# Allegro board pc065a_toplevel_45_8layers.brd (continued)
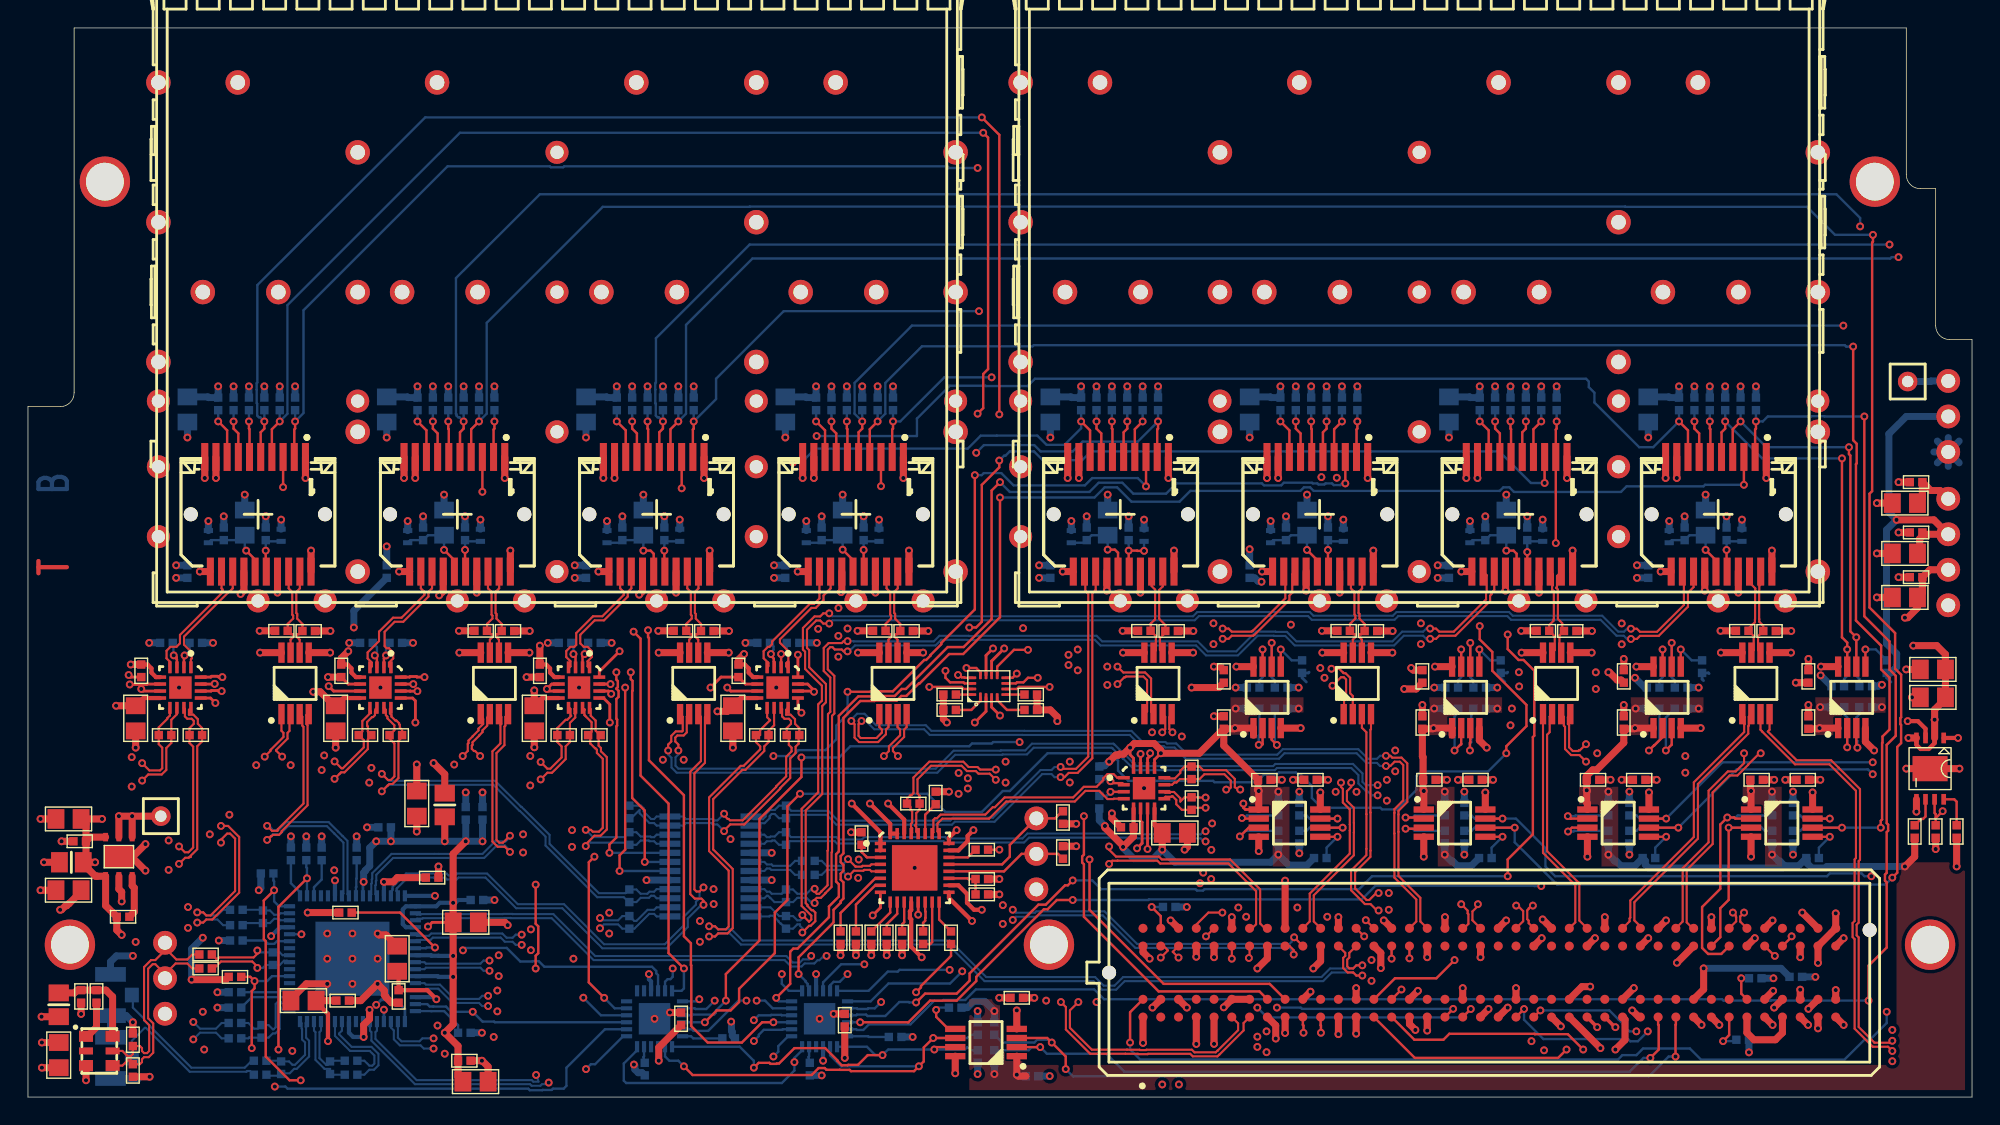
[diagram p0: board, top side]
## Routing (per net, layer and track width the routed paths; a pad name or vN(x,y) marks a point on that pad's centre or on a via; arc(x,y) is an arc through that point) (continued)
FMC_LA_P<31>: length 13.8
  TOP w0.17: J10.G33 121,11.44 121,13.51 121.6,14.11 v1(121.6,19.27) IC16.3
  BOTTOM w0.17: R151.1 124.19,19.05 123.96,19.27 v1(121.6,19.27)
FMC_LA_P<33>: length 23.1
  TOP w0.17: J10.G36 124.88,10.1 v1(124.9,10.1) ; 130.72,26.4 130.72,25.08 v1(130.8,25)
  L6_SIG w0.17: v1(130.8,25) 130.8,15.46 125.44,10.1 v1(124.9,10.1)
  BOTTOM w0.17: v1(130.8,25) 130.8,25.49 130.72,25.57 130.72,27.16 130.95,27.39 R171.1
I2C_SCL: length 110.1
  TOP w0.17: v1(61.1,3) 60.04,3 59.35,2.3 58.65,2.3 58.62,2.28 58.18,2.28 57.88,2.58 57.88,2.62 57,3.5 54.8,3.5 53.7,2.4 53.54,2.4 53.52,2.38 53.08,2.38 53.01,2.45 52.25,2.45 v1(51.9,2.1) ; v1(19.5,1.2) 18.7,1.2 17,2.9 17,11.16 16.86,11.3 16.86,14.06 v1(17.6,14.8) ; R94.1 73.65,17.4 J1.2 71.04,17.4 69.79,16.15 IC9.20 ; IC11.7 64.97,3.58 v1(64.8,3.4)
  L3_SIG w0.17: v1(19.5,1.2) 19.9,0.8 34.4,0.8 35.6,2 36.01,2 36.11,2.11 36.55,2.11 36.61,2.05 36.63,2.05 36.68,2 38.2,2 38.73,1.47 50.78,1.47 51.41,2.1 v1(51.9,2.1)
  L6_SIG w0.17: J1.2 73.19,16.3 73.19,13.99 70.95,11.75 70.95,7.27 67.09,3.4 v1(64.8,3.4)
  BOTTOM w0.17: IC3.16 17.95,13.65 17.6,14 v1(17.6,14.8) 17.6,15.44 17.55,15.49 R7.2 ; v1(51.9,2.1) 51.9,2.59 50.89,3.6 IC23.19 ; R135.1 67.39,3.35 67.16,3.58 66.99,3.4 v1(64.8,3.4) 61.5,3.4 v1(61.1,3) 60.58,3 59.98,3.6 IC10.19
I2C_SCL_CVCC: length 53
  TOP w0.17: 116.56,5.73 116.56,5.19 116.6,5.15 116.6,3.4 v1(116,2.8) ; IC11.2 v1(72.38,3.58)
  BOTTOM w0.17: R132.1 71.55,3.35 71.77,3.57 72.37,3.57 v1(72.38,3.58) 72.85,3.1 77.1,3.1 78.39,1.81 114.51,1.81 115.51,2.8 v1(116,2.8)
I2C_SDA: length 110.7
  TOP w0.17: v1(19.95,15.65) 17.91,13.61 v1(17.91,3.4) ; IC11.6 v1(64.72,4.23) 64.05,3.55 64.05,2.55 v1(63.7,2.2) 63.35,1.85 58.85,1.85 58.75,1.95 58.05,1.95 58.04,1.95 57.09,1.95 56.97,2.08 56.53,2.08 56.03,1.58 47.52,1.58 v1(46.9,2.2) ; IC9.21 69.65,16.65 70.2,17.2 70.2,18.04 J1.3 73.44,19.94 73.95,20.45 R93.1
  L3_SIG w0.17: v1(17.91,3.4) 19.26,2.05 19.85,2.05 19.92,1.99 33.78,1.99 34.59,2.79 41.21,2.79 42.2,1.8 44.15,1.8 44.42,2.08 46.28,2.08 46.41,2.2 v1(46.9,2.2)
  L6_SIG w0.17: v1(64.72,4.23) 66.71,4.23 68.42,5.94 68.42,9.68 71,12.26 71,18.84 J1.3
  BOTTOM w0.17: v1(63.7,2.2) 58.14,2.2 57.35,2.99 IC10.20 ; v1(64.72,4.23) 67.16,4.23 67.39,4.45 R134.1 ; v1(46.9,2.2) 46.5,2.6 45.86,2.6 45.55,2.91 IC23.20 ; R8.2 19.9,16.44 19.95,16.39 v1(19.95,15.65) IC3.18
I2C_SDA_CVCC: length 56.7
  TOP w0.17: v1(117.8,2.9) 117.8,5.17 117.83,5.19 J10.C31 ; IC11.3 72.88,4.23 v1(73.2,3.9) 74.2,2.9 v1(74.2,2)
  BOTTOM w0.17: v1(73.2,3.9) 73,4.1 72.16,4.1 71.96,3.9 69.65,3.9 R131.1 ; v1(74.2,2) 74.72,1.48 115.88,1.48 117.31,2.9 v1(117.8,2.9)
MOD_ABS: length 3.4
  TOP w0.17: J7.6 15.84,47.79 15.8,47.83 v1(15.8,48.35)
  BOTTOM w0.17: R26.1 v1(15.8,48.35)
MOD_ABS_1: length 3.4
  TOP w0.17: v1(30.05,48.35) 30.05,47.83 30.09,47.79 J12.6
  BOTTOM w0.17: R38.1 v1(30.05,48.35)
MOD_ABS_2: length 3.4
  TOP w0.17: v1(44.3,48.35) 44.3,47.83 44.34,47.79 J16.6
  BOTTOM w0.17: R46.1 v1(44.3,48.35)
MOD_ABS_3: length 3.4
  TOP w0.17: J20.6 58.59,47.79 58.55,47.83 v1(58.55,48.35)
  BOTTOM w0.17: R54.1 v1(58.55,48.35)
MOD_ABS_4: length 3.4
  TOP w0.17: v1(120.25,48.35) 120.25,47.83 120.29,47.79 J24.6
  BOTTOM w0.17: R103.1 v1(120.25,48.35)
MOD_ABS_5: length 3.4
  TOP w0.17: J28.6 106.04,47.79 106,47.83 v1(106,48.35)
  BOTTOM w0.17: R111.1 v1(106,48.35)
MOD_ABS_6: length 3.4
  TOP w0.17: v1(91.75,48.35) 91.75,47.83 91.79,47.79 J32.6
  BOTTOM w0.17: R119.1 v1(91.75,48.35)
MOD_ABS_7: length 3.4
  TOP w0.17: v1(77.5,48.35) 77.5,47.83 77.54,47.79 J36.6
  BOTTOM w0.17: R127.1 v1(77.5,48.35)
MUX_OUT_N: length 3.9
  BOTTOM w0.15: C55.1 54.85,15.9 54.49,16.26 53.14,16.26 53.04,16.36 52.83,16.36 52.65,16.18 51.7,16.18
MUX_OUT_P: length 3.9
  BOTTOM w0.15: IC8.18 52.65,16.82 52.83,16.64 53.16,16.64 53.26,16.55 54.49,16.55 54.85,16.9 C56.1
MUX_SEL<0>: length 42.5
  TOP w0.17: v1(64.44,29.34) 66.75,29.34 66.9,29.2 IC21.15 ; v1(42.7,29.3) 42.7,17.7 42.3,17.3 v1(42.3,16.18)
  L3_SIG w0.17: v1(42.7,29.3) 43.23,28.77 54.77,28.77 55.34,29.34 55.8,29.34 56.03,29.58 56.47,29.58 56.7,29.34 58.2,29.34 58.38,29.52 58.82,29.52 59,29.34 v1(64.44,29.34)
  BOTTOM w0.17: 45.9,16.18 v1(42.3,16.18)
MUX_SEL<1>: length 41
  TOP w0.17: v1(44.1,16.82) 44.1,20.5 43.2,21.4 43.2,29.06 43.23,29.08 43.23,29.78 43.1,29.91 v1(43.1,30.4) ; IC21.14 66.96,29.6 66.89,29.67 65.93,29.67 65.6,30.01 v1(65.6,30.5)
  L3_SIG w0.17: v1(65.6,30.5) 65.11,30.5 65.01,30.4 59.22,30.4 59.07,30.26 43.24,30.26 v1(43.1,30.4)
  BOTTOM w0.17: IC8.7 v1(44.1,16.82)
MUX_SEL<2>: length 43.7
  TOP w0.17: v1(66.5,30.2) 66.6,30.2 66.77,30.03 66.94,30.03 66.98,30 IC21.13 ; v1(42.07,30.4) 42.07,29.87 42.17,29.77 42.17,29.33 42.07,29.23 42.07,29.22 42.23,29.07 42.23,28.63 42.07,28.48 42.07,27.07 42.12,27.02 42.12,26.58 42.07,26.53 42.07,18.57 41.58,18.07 v1(41.58,17.48)
  L3_SIG w0.17: v1(42.07,30.4) 42.59,29.88 55.87,29.88 55.9,29.91 65.71,29.91 65.78,29.98 65.82,29.98 65.94,29.85 66.15,29.85 v1(66.5,30.2)
  BOTTOM w0.17: 45.9,17.48 v1(41.58,17.48)
OSC_N: length 15.4
  TOP w0.15: C30.2 11.75,10.2 11.39,9.85 10.61,9.85 9.8,10.66 ; QZ1.5 6.75,3.3 7.13,2.92 7.34,2.92 7.5,3.08 R4.2 8,3.65 8.15,3.5 8.15,3.29 8.3,3.15 8.51,3.15 8.66,3.29 8.66,5.15 8.3,5.52 8.3,9.3 8.8,9.8 9.1,9.8 9.8,10.5 9.8,10.66 ; J5.3 9.8,10.66
OSC_P: length 14.7
  TOP w0.15: C29.2 11.75,9.2 11.39,9.55 10.55,9.55 9.8,8.8 ; 9.8,8.8 9.8,8.81 9.1,9.51 8.92,9.51 8.59,9.18 8.59,5.64 8.95,5.27 8.95,3.17 8.63,2.86 8.3,2.86 8.15,2.71 8.15,2.5 8,2.35 R5.2 7.34,2.51 7.34,2.63 7.13,2.63 6.75,2.25 QZ1.4 ; 9.8,8.8 J5.2
POWER_GOOD: length 79.8
  TOP w0.17: U11.7 136.32,20.33 136.4,20.25 136.4,19.96 ; 136.4,19.96 v1(136.9,20.46) ; 136.4,19.96 R182.2 ; J10.D1 78.8,6.07 v1(78.8,3.9)
  L6_SIG w0.17: v1(136.9,20.46) 137.25,20.11 137.25,17.65 132.9,13.3 132.9,7.94 132.88,7.92 132.88,7.48 132.9,7.46 v1(132.9,6.1)
  BOTTOM w0.17: v1(78.8,3.9) 78.8,3.4 79.52,2.69 113.69,2.69 114,3 115,3 115.47,3.48 118.82,3.48 119.62,2.68 129.88,2.68 131.3,4.1 131.7,4.1 132.9,5.3 v1(132.9,6.1)
PRSNT_L: length 2.6
  TOP w0.17: 81,12.08 81,12.95 v1(80.35,13.6)
  BOTTOM w0.17: R30.2 v1(80.35,13.6)
RD_BUF_N<0>: length 8.9
  TOP w0.15: J7.12 13.84,36.4 13.91,36.33 13.91,36.11 10.87,33.07 10.87,32.47 10.62,32.22 10.19,32.22 9.91,31.94 9.91,31.39 10.15,31.15 IC4.4
RD_BUF_N<1>: length 9.2
  TOP w0.15: J12.12 28.09,36.4 28.34,36.14 28.34,35.93 26.71,34.3 26.1,34.3 25.1,33.3 25.1,32.63 24.29,31.81 24.29,31.39 24.59,31.08 24.59,30.82 24.52,30.75 IC5.4
RD_BUF_N<2>: length 9.4
  TOP w0.15: IC6.4 38.72,30.75 38.79,30.82 38.79,31.18 38.48,31.49 38.48,31.91 38.79,32.22 39.06,32.22 39.2,32.35 39.2,33.2 40.4,34.4 41.06,34.4 42.59,35.93 42.59,36.14 42.34,36.4 J16.12
RD_BUF_N<3>: length 8.9
  TOP w0.15: IC7.4 52.94,30.84 52.94,31.06 52.6,31.4 52.6,31.91 52.91,32.22 53.02,32.22 53.2,32.4 53.2,32.59 55.9,35.29 56.2,35.29 56.59,35.68 J20.12
RD_BUF_P<0>: length 8.6
  TOP w0.15: IC4.1 11.65,31.32 11.71,31.39 11.71,31.81 11.16,32.37 11.16,32.95 14.35,36.14 14.38,36.14 14.64,36.4 J7.13
RD_BUF_P<1>: length 9.2
  TOP w0.15: J12.13 28.89,36.4 28.64,36.14 28.64,35.81 26.83,34.01 26.22,34.01 25.5,33.29 25.5,32.27 25.65,32.12 25.81,32.12 26.11,31.81 26.11,31.39 25.81,31.08 25.81,30.82 25.88,30.75 IC5.1
RD_BUF_P<2>: length 9.5
  TOP w0.15: J16.13 43.14,36.4 42.88,36.14 42.88,35.81 41.18,34.11 40.52,34.11 39.49,33.08 39.49,32.46 39.74,32.22 40.01,32.22 40.31,31.91 40.31,31.49 40.01,31.18 40.01,30.82 40.08,30.75 IC6.1
RD_BUF_P<3>: length 8.9
  TOP w0.15: J20.13 57.39,36.4 56.88,35.89 56.88,35.56 56.32,35 56.02,35 53.76,32.75 53.76,32.51 54.37,31.91 54.37,31.19 54.21,31.04 54.21,30.82 54.28,30.75 IC7.1
RD_MUX_N<0>: length 50.2
  TOP w0.15: v1(10.8,17.93) 11.22,17.52 11.47,17.52 11.81,17.85 11.81,25.08 11.55,25.34 R60.1 11.55,26.4 11.86,26.71 11.86,26.92 11.71,27.07 11.39,27.07 11.22,27.24 11.22,27.77 11.15,27.84 IC4.11
  L3_SIG w0.15: v1(40.9,12.81) 40.47,12.81 40.26,12.6 40.24,12.6 36.29,16.55 34.29,16.55 33.34,17.5 11.31,17.5 11.23,17.5 v1(10.8,17.93)
  BOTTOM w0.15: IC8.2 44.95,13.57 44.77,13.39 44.3,13.39 43.5,12.6 43.35,12.6 R74.2 42.5,12.95 42.19,12.64 41.06,12.64 v1(40.9,12.81)
RD_MUX_N<1>: length 31.6
  TOP w0.15: v1(25.3,23.12) 25.74,22.69 25.94,22.69 26.2,22.95 26.2,25.3 25.85,25.65 R64.1 26.2,26.25 26.2,26.6 25.7,27.1 25.7,27.22 25.59,27.33 25.59,27.71 IC5.11
  BOTTOM w0.15: 45.9,14.88 44.95,14.88 44.77,14.7 44.44,14.7 44.29,14.54 43.81,14.54 43.5,14.85 R75.2 42.76,14.61 42.74,14.61 42.72,14.59 40.82,14.59 37.3,18.11 37.3,18.76 35.29,20.77 35.26,20.77 33.4,22.63 25.79,22.63 v1(25.3,23.12)
RD_MUX_N<2>: length 17.6
  TOP w0.15: v1(39.88,19.12) 40.25,19.12 40.38,18.99 40.82,18.99 41.1,19.27 41.1,24.2 40.68,24.62 40.68,24.85 40.57,24.96 40.54,24.96 40.2,25.3 40.2,25.75 R68.1 40.3,26.15 40.3,26.82 39.79,27.33 ; 39.79,27.71 39.79,27.33 ; 39.79,27.71 39.76,27.74 ; 39.79,27.71 39.79,27.74 39.76,27.74 ; 39.79,27.33 39.88,27.24 ; 39.76,27.74 IC6.11
  BOTTOM w0.15: v1(39.88,19.12) 40.4,18.6 42.65,18.6 R76.2 43.5,18.95 43.81,18.64 44.51,18.64 44.56,18.59 44.77,18.59 44.95,18.77 IC8.10
RD_MUX_N<3>: length 19.5
  TOP w0.15: v1(49.77,20.27) 49.77,20.15 50.03,19.9 50.09,19.9 50.19,19.8 51.1,19.8 53.49,22.19 53.49,22.23 54.21,22.95 54.21,24.35 54.6,24.74 54.6,25 54.4,25.2 54.4,25.75 R72.1 54.25,26.4 54.55,26.71 54.55,26.92 54.41,27.07 54.09,27.07 53.92,27.24 53.92,27.77 53.85,27.84 IC7.11
  BOTTOM w0.15: R77.2 43.83,20.85 44.02,20.67 44.02,20.43 44.56,19.89 44.77,19.89 44.95,20.08 IC8.12 46.85,20.08 47.03,19.89 48.98,19.89 49.08,19.8 49.3,19.8 v1(49.77,20.27)
RD_MUX_N<4>: length 40.5
  TOP w0.15: v1(73.83,23.62) 73.97,23.48 74.93,23.48 75.81,24.36 75.81,36.02 75.6,36.23 75.6,37.54 J36.12
  BOTTOM w0.15: v1(73.83,23.62) 73.4,23.62 73.18,23.4 72.4,23.4 68.99,19.99 66.15,19.99 65.94,19.78 57.92,19.78 57.22,20.48 54.57,20.48 R78.2 53.7,20.85 53.39,20.55 53.06,20.55 52.74,20.23 52.74,20.08 52.55,19.88 51.89,19.88 IC8.13
RD_MUX_N<5>: length 57.7
  TOP w0.15: J32.12 89.9,37.49 89.9,35.69 87.57,33.36 87.55,33.36 87.49,33.3 86.07,33.3 85.85,33.52 v1(85.42,33.52)
  L6_SIG w0.15: v1(84.2,19.02) 84.84,19.02 85.18,19.36 85.18,20.28 84.8,20.66 84.8,22.5 83.94,23.36 83.94,32.89 84.43,33.38 85.01,33.38 85.14,33.52 v1(85.42,33.52)
  BOTTOM w0.15: v1(84.2,19.02) 84.07,19.02 83.85,18.8 79.44,18.8 79.38,18.86 71.45,18.86 71.11,18.51 65.68,18.51 65.59,18.6 59.8,18.6 59.63,18.44 57.97,18.44 57.8,18.6 54.55,18.6 R79.2 53.7,18.95 53.39,18.64 53.09,18.64 53.04,18.59 52.83,18.59 52.65,18.77 IC8.15
RD_MUX_N<6>: length 76.4
  TOP w0.15: v1(56.25,14.9) 56.25,14.69 56.4,14.54 56.57,14.54 56.73,14.7 56.73,14.71 57.17,15.15 57.17,17.63 57.2,17.66 57.2,27.4 57.37,27.57 57.37,30.02 56.9,30.48 56.9,32.13 57.25,32.48 58.19,32.48 58.32,32.62 v1(58.6,32.62) ; J28.12 104.3,37.34 104.3,36.12 104.25,36.07 104.25,35.61 101.94,33.3 100.9,33.3 100.68,33.52 v1(100.25,33.52)
  BOTTOM w0.15: v1(58.6,32.62) 59.03,32.62 59.04,32.6 64.77,32.6 65.17,33.01 67.27,33.01 67.29,32.98 67.71,32.98 67.73,33.01 76.41,33.01 76.81,32.6 83.64,32.6 84.35,31.89 86.39,31.89 87.81,33.3 89.19,33.3 89.21,33.29 90.02,33.29 90.69,32.6 97.56,32.6 98.25,33.3 99.75,33.3 99.97,33.52 v1(100.25,33.52) ; 51.7,14.88 52.65,14.88 52.83,14.7 53.03,14.7 53.18,14.54 53.9,14.54 R80.2 54.7,14.85 55.01,14.54 55.22,14.54 55.67,14.54 56.03,14.9 v1(56.25,14.9)
RD_MUX_N<7>: length 95.4
  TOP w0.15: v1(55.37,13.02) 55.85,12.54 56.01,12.7 56.01,12.99 55.32,13.67 55.32,20.62 56.5,21.8 56.5,28.1 56.77,28.37 56.77,29.44 55.56,30.63 55.56,31.86 55.41,32.02 55.41,33.56 56.24,34.39 56.64,34.39 56.86,34.61 v1(57.29,34.61) ; J24.12 118.4,37.49 118.4,35.21 116.48,33.29 115.26,33.29 115.04,33.51 v1(114.61,33.51)
  BOTTOM w0.15: IC8.23 53.09,13.57 53.71,12.95 R81.2 54.7,12.95 55.01,12.64 55.22,12.64 55.37,12.79 v1(55.37,13.02) ; v1(57.29,34.61) 57.5,34.41 83.3,34.41 83.6,34.7 91.65,34.7 91.91,34.44 97.59,34.44 97.85,34.7 105.9,34.7 106.16,34.44 112.56,34.44 113.7,33.3 114.12,33.3 114.33,33.51 v1(114.61,33.51)
RD_MUX_P<0>: length 50.8
  TOP w0.15: v1(10.8,16.68) 11.24,17.12 11.49,17.12 11.54,17.17 11.61,17.17 11.63,17.19 11.63,17.26 12.1,17.73 12.1,25.1 12.45,25.45 R60.2 12.45,26.4 12.14,26.71 12.14,27.04 11.83,27.36 11.51,27.36 11.51,27.71 IC4.12
  L3_SIG w0.15: v1(40.9,12.08) 40.47,12.08 40.26,12.29 40.11,12.29 36.16,16.24 34.16,16.24 33.21,17.19 11.32,17.19 11.31,17.19 v1(10.8,16.68)
  BOTTOM w0.15: IC8.1 44.95,12.93 44.77,13.11 44.42,13.11 43.36,12.05 R74.1 42.5,12.05 42.19,12.36 41.17,12.36 v1(40.9,12.08)
RD_MUX_P<1>: length 32.1
  TOP w0.15: v1(25.3,21.88) 25.72,22.29 25.73,22.29 25.84,22.4 26.06,22.4 26.49,22.83 26.49,25.49 26.75,25.75 R64.2 26.75,26.27 26.59,26.43 26.59,26.62 26.54,26.68 26.54,26.75 26.34,26.95 26.26,26.95 25.99,27.22 25.99,27.34 25.88,27.45 25.88,27.78 IC5.12
  BOTTOM w0.15: v1(25.3,21.88) 25.76,22.34 33.28,22.34 35.14,20.48 35.17,20.48 37.01,18.64 37.01,17.99 40.7,14.3 42.6,14.3 42.95,13.95 R75.1 43.5,13.95 43.81,14.26 44.41,14.26 44.56,14.41 44.77,14.41 44.95,14.23 IC8.3
RD_MUX_P<2>: length 17.9
  TOP w0.15: IC6.12 40.24,27.76 40.24,27.29 40.59,26.94 40.59,26.21 40.9,25.9 R68.2 40.8,25.75 40.8,25.14 40.97,24.97 40.97,24.74 41.39,24.32 41.39,19.15 40.94,18.7 40.5,18.7 39.88,18.08 v1(39.88,17.96)
  BOTTOM w0.15: IC8.9 44.95,18.12 44.77,18.3 44.44,18.3 44.39,18.36 43.81,18.36 43.5,18.05 R76.1 42.83,18.22 42.81,18.21 40.24,18.21 40.18,18.26 v1(39.88,17.96)
RD_MUX_P<3>: length 20.2
  TOP w0.15: IC7.12 54.21,27.71 54.21,27.36 54.53,27.36 54.84,27.04 54.84,26.71 55.15,26.4 R72.2 55.1,25.85 55.1,25.29 54.89,25.07 54.89,24.62 54.5,24.23 54.5,22.83 53.78,22.11 53.78,22.07 51.22,19.51 50.21,19.51 49.77,19.07 v1(49.77,19.03)
  BOTTOM w0.15: R77.1 43.13,19.95 43.73,20.55 43.73,20.31 44.44,19.61 44.77,19.61 44.95,19.43 IC8.11 46.85,19.43 47.03,19.61 48.86,19.61 48.96,19.51 49.3,19.51 v1(49.77,19.03)
RD_MUX_P<4>: length 41
  TOP w0.15: J36.13 76.34,36.29 76.1,36.05 76.1,24.24 75.05,23.2 74.42,23.2 74.11,22.89 v1(73.83,22.89)
  BOTTOM w0.15: IC8.14 52.25,19.43 52.42,19.59 52.67,19.59 53.03,19.96 53.03,20.11 53.18,20.26 53.39,20.26 53.7,19.95 R78.1 54.44,20.19 57.1,20.19 57.8,19.49 66.06,19.49 66.27,19.7 69.11,19.7 72.52,23.11 73.18,23.11 73.4,22.89 v1(73.83,22.89)
RD_MUX_P<5>: length 58.6
  TOP w0.15: v1(85.42,32.79) 85.85,32.79 86.07,33.01 87.61,33.01 87.67,33.07 87.69,33.07 90.19,35.57 90.19,35.88 90.4,36.09 90.4,37.41 J32.13
  L6_SIG w0.15: v1(84.2,18.29) 84.63,18.29 84.84,18.5 84.84,18.58 85.49,19.24 85.49,20.41 85.11,20.79 85.11,22.63 84.25,23.49 84.25,32.76 84.56,33.08 84.86,33.08 85.14,32.79 v1(85.42,32.79)
  BOTTOM w0.15: IC8.16 52.65,18.12 52.83,18.3 53.16,18.3 53.21,18.36 53.39,18.36 53.7,18.05 R79.1 54.46,18.31 57.68,18.31 57.84,18.14 59.76,18.14 59.92,18.31 65.47,18.31 65.56,18.21 71.23,18.21 71.58,18.57 79.26,18.57 79.32,18.51 83.85,18.51 84.07,18.29 v1(84.2,18.29)
RD_MUX_P<6>: length 77.2
  TOP w0.15: v1(56.25,13.88) 56.25,14.1 56.4,14.25 56.69,14.25 57.02,14.58 57.02,14.59 57.46,15.03 57.46,17.51 57.49,17.54 57.49,27.28 57.66,27.44 57.66,30.14 57.19,30.6 57.19,32.01 57.37,32.2 57.52,32.2 57.69,32.02 58.19,32.02 58.32,31.89 v1(58.6,31.89) ; v1(100.25,32.79) 100.68,32.79 100.9,33.01 102.06,33.01 104.54,35.49 104.54,35.88 104.64,35.98 104.64,36.05 104.69,36.1 104.69,36.14 104.84,36.29 J28.13
  BOTTOM w0.15: v1(100.25,32.79) 99.97,32.79 99.75,33.01 98.37,33.01 97.68,32.31 90.57,32.31 89.89,32.99 89.09,32.99 89.07,33.02 87.93,33.02 86.51,31.6 84.23,31.6 83.52,32.31 76.68,32.31 76.28,32.72 67.85,32.72 67.83,32.7 67.17,32.7 67.15,32.72 65.29,32.72 64.89,32.31 59.13,32.31 58.71,31.89 v1(58.6,31.89) ; v1(56.25,13.88) 56.04,13.88 55.67,14.25 55.1,14.25 55.01,14.26 54.7,13.95 R80.1 53.38,13.95 53.07,14.26 53.06,14.26 52.91,14.41 52.83,14.41 52.65,14.23 IC8.22
RD_MUX_P<7>: length 96.4
  TOP w0.15: v1(114.61,32.78) 115.04,32.78 115.26,33 116.6,33 118.69,35.09 118.69,36.09 119.09,36.49 J24.13 ; v1(55.37,11.78) 55.85,12.25 55.97,12.25 56.3,12.58 56.3,13.2 56.13,13.37 56.03,13.37 55.73,13.67 55.73,13.75 55.61,13.88 55.61,20.5 56.79,21.68 56.79,27.98 57.05,28.24 57.05,29.56 55.85,30.76 55.85,31.98 55.7,32.14 55.7,33.44 56.36,34.1 56.64,34.1 56.86,33.88 v1(57.29,33.88)
  BOTTOM w0.15: IC8.24 53.01,12.93 53.06,12.98 53.27,12.98 53.66,12.59 53.66,12.55 53.8,12.42 53.84,12.42 R81.1 54.7,12.05 55.01,12.36 55.2,12.36 55.2,12.25 55.37,12.08 v1(55.37,11.78) ; v1(57.29,33.88) 57.52,34.12 83.42,34.12 83.72,34.41 91.53,34.41 91.79,34.15 97.71,34.15 97.97,34.41 105.78,34.41 106.04,34.15 112.44,34.15 113.58,33.01 114.1,33.01 114.33,32.78 v1(114.61,32.78)
REC_CLK_FPGA_N: length 18.9
  TOP w0.15: v1(85.67,22) 85.85,22 86,22.15 86,22.64 85.54,23.1 84.11,23.1 83.76,22.75 R97.1 82.36,22.75 82.12,22.51 81.97,22.51 81.81,22.35 IC13.11 ; J10.H5 v1(84.23,11.5)
  L6_SIG w0.15: v1(85.67,22) 85.67,21.83 85.97,21.52 85.97,19.14 85.67,18.84 85.67,15.34 83.89,13.55 83.89,12.97 84.16,12.7 84.5,12.42 84.59,11.89 84.34,11.52 v1(84.23,11.5)
REC_CLK_FPGA_P: length 20.9
  TOP w0.15: v1(85.4,13.2) 84.4,13.2 83.53,12.34 J10.H4 ; v1(86.68,22) 86.6,21.98 86.29,22.17 86.29,22.76 85.66,23.39 84.03,23.39 83.77,23.65 R97.2 82.7,23.65 82.39,23.34 82.39,23.19 82,22.8 81.3,22.8 IC13.12
  L6_SIG w0.15: v1(85.4,13.2) 85.12,13.15 84.83,12.73 84.7,12.7 84.67,12.68 84.37,12.93 84.2,13.1 84.2,13.42 85.98,15.21 85.98,18.71 86.28,19.01 86.28,21.61 v1(86.68,22)
RST_I2C_B: length 54.8
  TOP w0.17: v1(67.1,30.7) 67.8,30.7 68.1,30.4 IC21.12
  L6_SIG w0.17: v1(67.1,30.7) 67.53,30.27 67.53,27.57 66.47,26.52 66.47,26.38 62.88,22.77 62.88,16.18 63.3,15.76 63.3,13.44 63.12,13.27 63.12,12.83 63.3,12.66 63.3,10.2 62.5,9.4 62.5,7.74 61.88,7.12 61.88,6.67 58.53,3.33 58.18,3.33 57.71,2.85 57.34,2.85 57.07,3.12 56.63,3.12 56.36,2.85 55.15,2.85 v1(54.8,2.5)
  BOTTOM w0.17: IC23.24 43.55,3.35 42.6,2.4 42.6,1.18 42.77,1.01 53.91,1.01 54.8,1.9 v1(54.8,2.5) 54.8,2.8 55.35,3.35 IC10.24
RST_I2C_B_CVCC: length 42.3
  TOP w0.17: IC21.9 69.3,30.8 70.5,32 v1(71.5,32) ; J10.D9 88.78,8.1 81.2,8.1 75.9,13.4 v1(75.9,17)
  L6_SIG w0.17: v1(71.5,32) 70.87,32 70.7,31.83 70.7,31.04 70.17,30.52 70.17,29.42 75.01,24.59 75.01,22.29 74.42,21.7 74.42,19.22 75.74,17.9 75.74,17.65 75.9,17.49 v1(75.9,17)
SFP_FAULT<0>: length 128.7
  TOP w0.17: J7.2 19.04,47.77 19.1,47.83 v1(19.1,48.35)
  L6_SIG w0.17: v1(59.8,9.5) 59.8,9.9 59.77,9.93 59.77,10.36 60,10.59 60,12.66 59.88,12.78 59.88,13.22 60,13.34 60,19.8 60.98,20.77 60.98,21.22 62.22,22.46 62.22,23.05 63.9,24.73 63.9,30 64.22,30.32 64.22,31.12 64.9,31.8 64.9,34.8 65.2,35.1 65.2,62.98 67.9,65.68 v1(67.9,66.48)
  BOTTOM w0.17: v1(59.8,9.5) 58.14,9.5 56.85,8.21 IC10.10 ; R24.2 v1(19.1,48.35) 19.7,48.95 19.7,56.3 30,66.6 37.31,66.6 37.38,66.53 38.27,66.53 38.34,66.6 65.74,66.6 65.86,66.48 v1(67.9,66.48)
SFP_FAULT<1>: length 66.2
  TOP w0.17: J12.2 33.29,47.77 33.35,47.83 v1(33.35,48.35)
  L3_SIG w0.17: v1(39,9.9) 55,9.9 55.5,9.4 58,9.4 v1(58.6,8.8)
  L6_SIG w0.17: v1(39,9.9) 39,10.39 38.9,10.49 38.9,11.6 33.35,17.15 33.35,17.94 33.36,17.95 33.36,22.15 33.35,22.16 v1(33.35,48.35)
  BOTTOM w0.17: v1(58.6,8.8) 58.05,8.25 57.6,8.25 57.35,8 IC10.11 ; R36.2 v1(33.35,48.35)
SFP_FAULT<2>: length 86.7
  TOP w0.17: v1(47.6,48.35) 47.6,47.83 47.54,47.77 J16.2
  L6_SIG w0.17: v1(68,56.23) 68,55.74 68.1,55.64 68.1,50.5 68.4,50.2 68.4,49.14 68.42,49.12 68.42,48.68 68.4,48.66 68.4,32.71 68.14,32.45 68.14,31.75 68.4,31.49 68.4,26.2 66.25,24.05 66.19,24.05 65,22.85 65,18.64 66.64,16.99 66.64,9.63 66.46,9.45 66.25,9.45 v1(65.9,9.1)
  BOTTOM w0.17: v1(65.9,9.1) 62.32,9.1 62.19,8.97 61.48,8.97 60.1,7.6 IC10.12 ; v1(68,56.23) 54.03,56.23 49.2,51.4 49.2,49.95 v1(47.6,48.35) R44.2
SFP_FAULT<3>: length 65.8
  TOP w0.17: J20.2 61.79,47.77 61.85,47.83 v1(61.85,48.35)
  L6_SIG w0.17: v1(66.8,9) 66.97,9.17 66.97,17.13 65.33,18.77 65.33,22.72 66.32,23.71 66.38,23.71 68.73,26.06 68.73,31.63 68.47,31.88 68.47,32.32 68.73,32.57 68.73,34.07 68.9,34.24 v1(68.9,51.5)
  BOTTOM w0.17: IC10.13 60.25,6.85 61.52,8.12 65.92,8.12 v1(66.8,9) ; R52.2 v1(61.85,48.35) 62.37,48.35 65.52,51.5 v1(68.9,51.5)
SFP_FAULT<4>: length 63.1
  TOP w0.17: v1(80.8,48.35) 80.8,47.83 80.74,47.77 J36.2
  L6_SIG w0.17: v1(61,6.8) 61,9.8 60.88,9.93 60.88,12.73 60.92,12.78 60.92,13.22 60.88,13.27 60.88,13.68 62.02,14.82 62.02,21.52 62.55,22.05 62.55,22.91 64.97,25.34 64.97,29.99 64.78,30.18 64.78,30.62 65.23,31.07 65.23,33.33 67.5,35.6 67.5,42.1 67.1,42.5 67.1,45.4 v1(67.8,46.1)
  BOTTOM w0.17: v1(67.8,46.1) 68.35,46.65 71.95,46.65 72.4,46.2 74.7,46.2 75.4,46.9 79.35,46.9 v1(80.8,48.35) R125.2 ; v1(61,6.8) 60.55,6.35 60.08,6.35 60.03,6.3 59.32,6.3 59.27,6.35 IC10.14
SFP_FAULT<5>: length 97.4
  TOP w0.17: J32.2 94.99,47.77 95.05,47.83 v1(95.05,48.35) ; v1(74.7,15.5) 74.35,15.15 74.15,15.15 72.76,13.77 72.25,13.77 67.33,8.84 67.33,8.32 66.4,7.4 64.14,7.4 63.72,6.98 63.7,6.98 v1(63.5,6.77) ; v1(105.8,33.1) 105.8,32.05 106.58,31.27 106.93,31.27 107.7,30.51 107.7,25.86 107.6,25.76 107.6,18.8 105.8,17 v1(105.8,15.8)
  L6_SIG w0.17: v1(105.8,33.1) 105.31,33.1 105.21,33 103.51,33 99.98,36.53 99.03,36.53 98.41,37.16 98.41,38.04 98.7,38.34 98.7,45.8 96.15,48.35 v1(95.05,48.35)
  BOTTOM w0.17: R117.2 v1(95.05,48.35) ; v1(63.5,6.77) 63.01,6.77 62.98,6.8 62.3,6.8 61.3,5.8 60.02,5.8 59.92,5.9 59.27,5.9 59.22,5.85 IC10.15 ; v1(74.7,15.5) 76.1,15.5 76.72,14.88 83.48,14.88 83.58,14.78 84.02,14.78 84.12,14.88 95.17,14.88 96.1,15.8 v1(105.8,15.8)
SFP_FAULT<6>: length 88.3
  TOP w0.17: v1(109.24,39.64) J28.2 109.24,47.77 109.3,47.83 v1(109.3,48.35) ; v1(59.5,5.35) 62.95,5.35 64.5,6.9 66.4,6.9 67.8,8.3 67.8,8.6 72.64,13.44 72.9,13.44 73.57,14.1 v1(74.7,14.1)
  L6_SIG w0.17: v1(108.2,15.1) 108.2,22.9 109.24,23.94 v1(109.24,39.64)
  BOTTOM w0.17: R109.2 v1(109.3,48.35) ; IC10.16 v1(59.5,5.35) ; v1(108.2,15.1) 107.71,15.1 107.68,15.12 96.35,15.12 95.37,14.14 80.15,14.14 80.1,14.1 v1(74.7,14.1)
SFP_FAULT<7>: length 129.6
  TOP w0.17: J24.2 123.49,47.77 123.55,47.83 v1(123.55,48.35) ; v1(131.3,48.7) 131.3,34.4 133.1,32.6 133.1,30.58 133.54,30.14 133.54,25.84 132.9,25.2 132.9,19.59 133,19.49 133,19.06 132.9,18.96 132.9,16.04 132.78,15.92 132.78,15.48 132.9,15.36 132.9,10.7 131.6,9.4 v1(131.6,6.9)
  BOTTOM w0.17: v1(131.3,48.7) 128.46,48.7 128.44,48.72 127.51,48.72 127.49,48.7 124.4,48.7 124.04,48.35 v1(123.55,48.35) R101.2 ; IC10.17 59.22,4.85 59.27,4.8 59.73,4.8 60.13,5.2 63.1,5.2 64.8,6.9 65.4,6.9 65.45,6.95 67.01,6.95 67.77,7.7 76.24,7.7 76.94,7 121.13,7 121.23,6.9 124.61,6.9 124.63,6.93 125.07,6.93 125.09,6.9 v1(131.6,6.9)
SFP_I2C_SCL<0>: length 149.1
  TOP w0.17: v1(68.2,70.1) 69.45,68.85 v1(69.45,48.85) ; v1(16.9,48.35) 16.9,47.83 16.64,47.57 J7.5 ; IC12.7 v1(93.63,19.93)
  L3_SIG w0.17: v1(92.48,44.36) 88.12,48.72 84.76,48.72 83.86,47.82 70.48,47.82 v1(69.45,48.85)
  L6_SIG w0.17: v1(93.63,19.93) 94.42,19.93 95.6,21.1 95.6,37.9 95.2,38.3 94.6,38.3 93.53,39.38 93.53,42.91 93.27,43.16 93.27,43.43 92.83,43.87 92.83,44.01 v1(92.48,44.36)
  BOTTOM w0.17: R140.1 91.41,20.15 91.64,19.93 v1(93.63,19.93) ; v1(68.2,70.1) 28.4,70.1 16.4,58.1 16.4,51.13 16.35,51.08 16.35,50.63 16.36,50.62 16.36,49.65 16.39,49.62 16.39,48.76 16.51,48.64 16.61,48.64 v1(16.9,48.35) R27.1
SFP_I2C_SCL<1>: length 198.9
  TOP w0.17: v1(31.15,48.35) 31.15,47.83 30.89,47.57 J12.5 ; IC14.7 v1(105.43,19.93)
  L6_SIG w0.17: v1(131.8,15.8) 131.8,16.69 131.28,17.22 131.28,23.12 131.38,23.22 131.38,29.38 131.7,29.7 131.7,30.27 132,30.57 132,32.5 131.2,33.3 131.2,48.06 130.78,48.48 130.78,51.58 131,51.8 131,53.46 131.03,53.48 131.03,53.92 131,53.94 v1(131,62.3)
  BOTTOM w0.17: R145.1 103.21,20.15 103.44,19.93 v1(105.43,19.93) 106.39,19.93 108.5,17.82 108.5,16.5 109.2,15.8 128.63,15.8 128.83,16.01 131.1,16.01 131.31,15.8 v1(131.8,15.8) ; v1(131,62.3) 131,62.9 129.3,64.6 36.6,64.6 30.6,58.6 30.6,48.9 30.64,48.86 30.64,48.76 30.76,48.64 30.86,48.64 v1(31.15,48.35) R39.1
SFP_I2C_SCL<2>: length 160.1
  TOP w0.17: IC15.7 v1(117.13,19.93) ; J16.5 45.14,47.57 45.4,47.83 v1(45.4,48.35)
  L6_SIG w0.17: v1(131.9,23.95) 132.39,23.95 132.53,24.09 132.53,25.02 132.5,25.04 132.5,26.7 132.03,27.17 132.03,30.13 132.4,30.5 132.4,32.77 131.67,33.5 131.67,48.33 131.82,48.48 131.82,48.92 131.67,49.07 131.67,53.77 133.1,55.2 v1(133.1,61)
  BOTTOM w0.17: v1(131.9,23.95) 121.16,23.95 v1(117.13,19.93) 115.24,19.93 115.01,20.15 R150.1 ; R47.1 v1(45.4,48.35) 45.11,48.64 45.01,48.64 44.89,48.76 44.89,49.62 44.85,49.65 44.85,50.62 44.85,50.63 44.85,51.08 44.9,51.13 44.9,54.3 51.6,61 v1(133.1,61)
SFP_I2C_SCL<3>: length 118.7
  TOP w0.17: J20.5 59.39,47.57 59.65,47.83 v1(59.65,48.35) ; IC16.7 v1(128.83,19.93)
  L6_SIG w0.17: v1(128.83,19.93) 129.4,20.5 129.4,41.8 129.1,42.1 129.1,54.5 v1(129.8,55.2)
  BOTTOM w0.17: R55.1 v1(59.65,48.35) 59.1,48.9 59.1,51.1 63.2,55.2 v1(129.8,55.2) ; v1(128.83,19.93) 126.94,19.93 126.71,20.15 R155.1
SFP_I2C_SCL<4>: length 27.8
  TOP w0.17: 88.28,30.8 v1(88.28,32.03) ; J36.5 78.34,47.57 78.6,47.83 v1(78.6,48.35)
  L6_SIG w0.17: v1(88.28,32.03) 82.47,37.84 82.47,39.32 80.5,41.29 80.5,46.45 v1(78.6,48.35)
  BOTTOM w0.17: R160.1 88.05,29.81 88.28,30.04 v1(88.28,32.03) ; R128.1 v1(78.6,48.35)